# Altium PCB Copy of GameBoard_V1I1_083018.PcbDoc (part 17 of 21)
Units mil, origin at the board's own origin, x right, y up, seen from the top; angles counter-clockwise.
Board outline 7165.35 x 2763.78 mil, 12 copper layers (L1, L2, L3, L4, L5 (PWR), L6 (PWR), L7 (PWR), L8 (PWR), L9, L10, L11, L12), stack 61.575 mil thick; 1542 components, 1068 nets, 5447 pads, 3797 vias.
Unrouted connection lines stored in the file: 105.
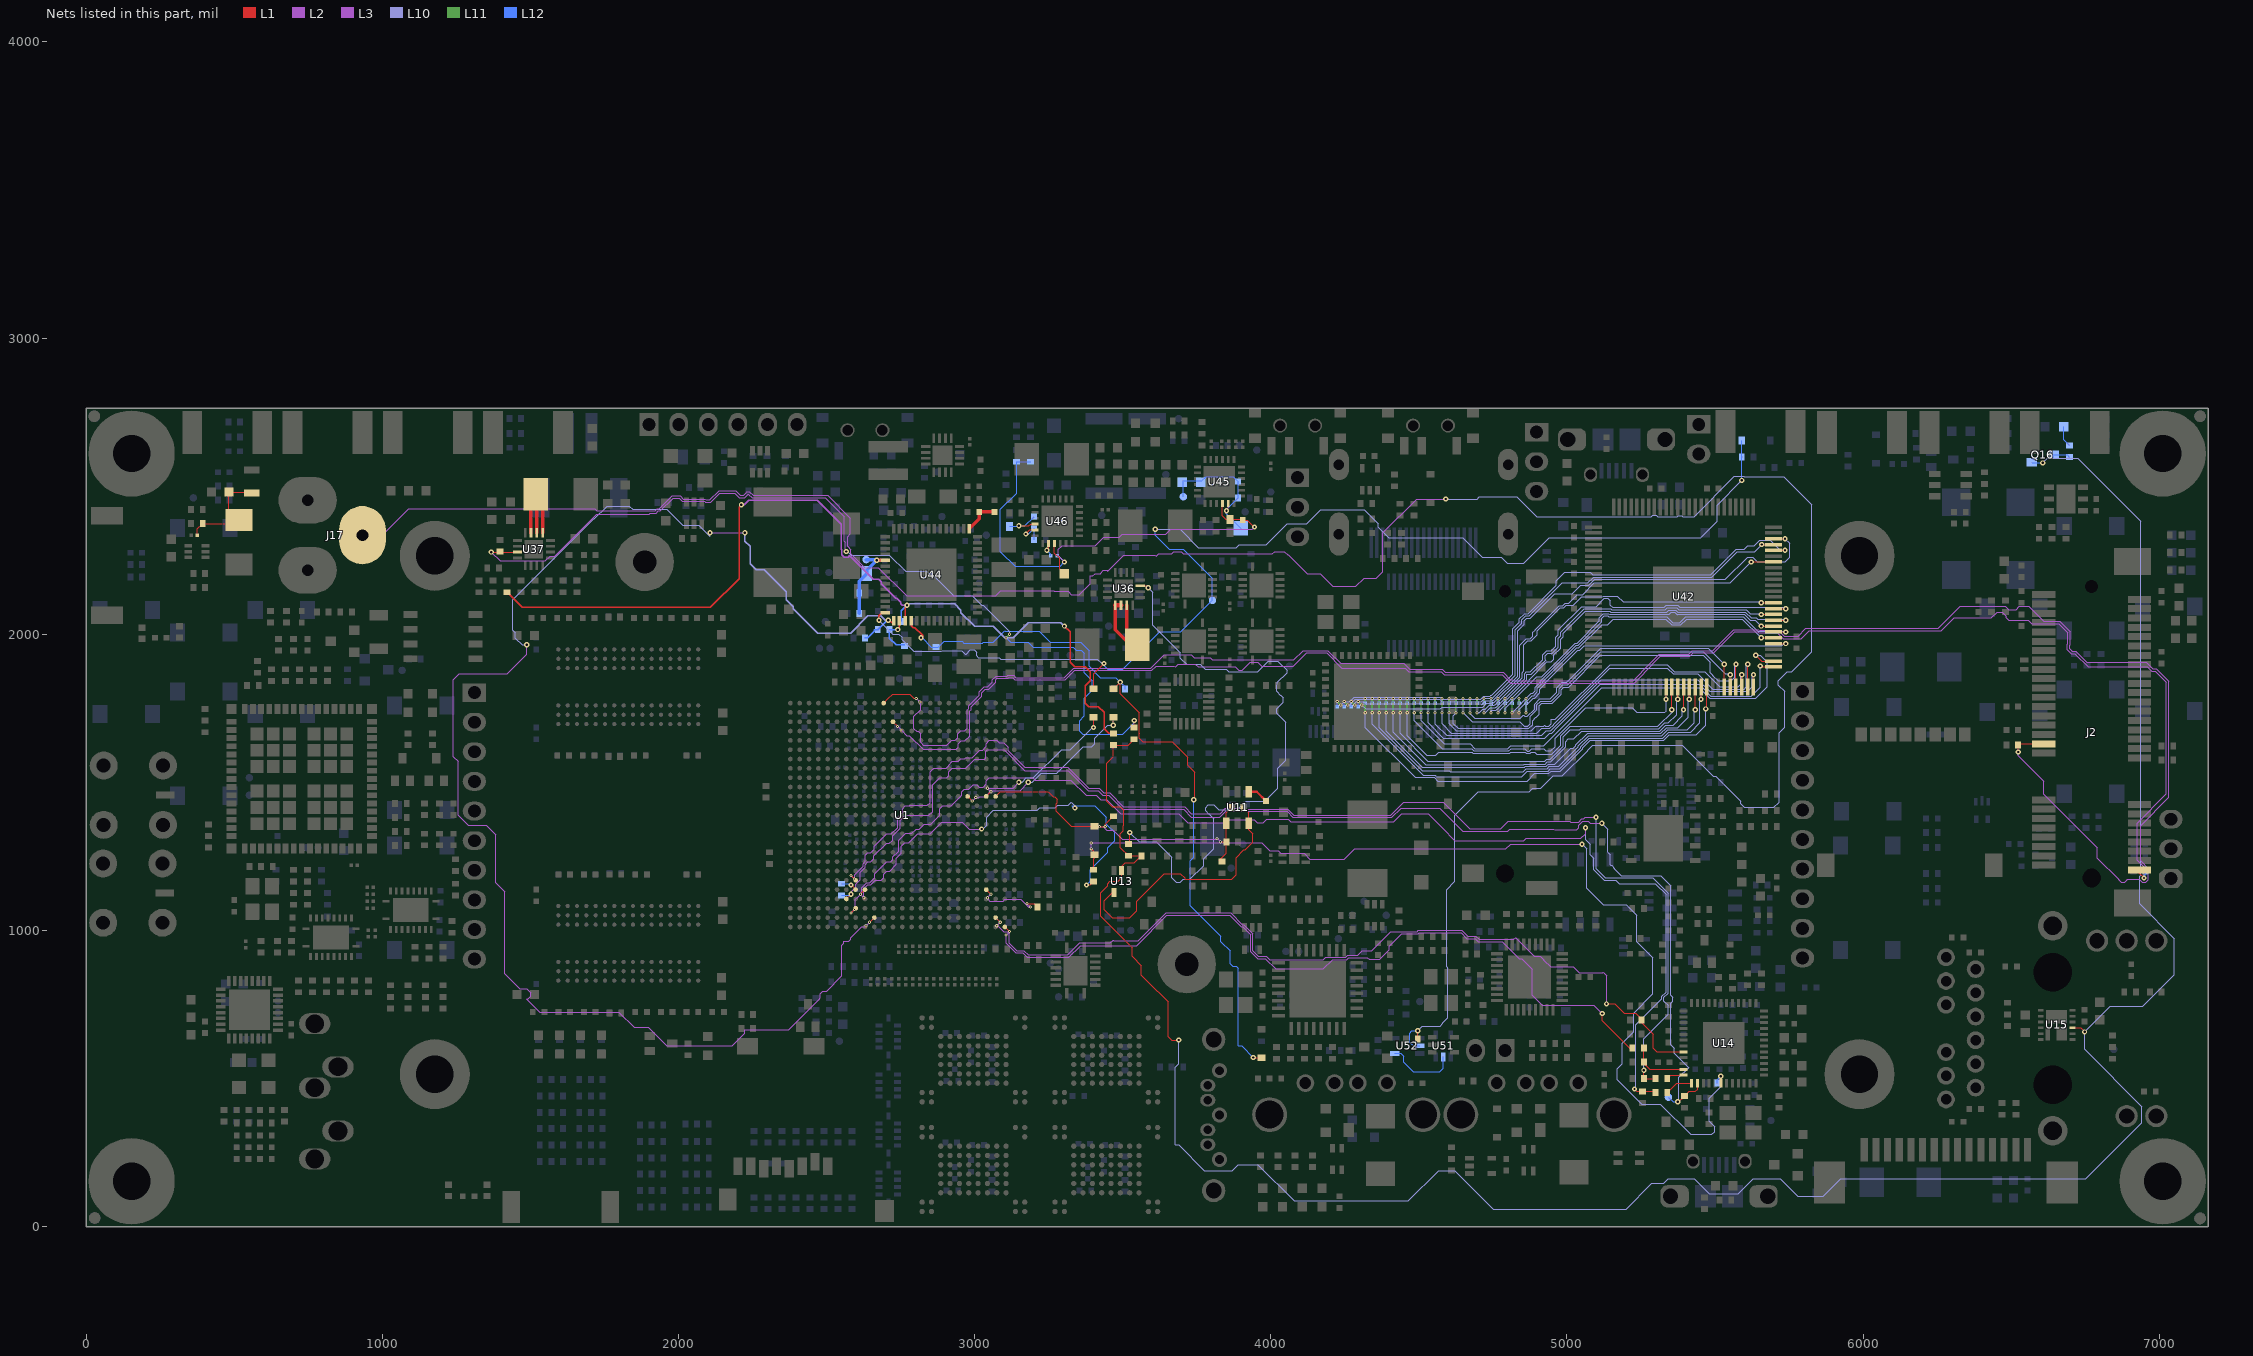
[diagram p27: the nets of this part, all layers, seen from the top]

## Via types
v1: diameter 17.72, hole 7.87, L1 to L12, 1936 vias
v2: diameter 17.72, hole 7.87, L1 to L12, tented both sides, 999 vias
v3: diameter 10.63, hole 3.94, L1 to L2, 337 vias
v4: diameter 10.63, hole 3.94, L2 to L3, 335 vias
v5: diameter 10.63, hole 3.94, L10 to L11, 96 vias
v6: diameter 10.63, hole 3.94, L11 to L12, 94 vias

## Nets (pads, with @x,y where several pads share a name; then routed paths per layer and width w, separated by ;. In a path a pad name is that pad's centre, name@x,y a point inside that pad or via, vN(x,y) a via of type N, cw(c..) or ccw(c..) an arc to the next point about the centre after c; other vN are vias at no path point) (continued)
PCIE_WAKE: J2.1 R151.1 U1.P3 | length 5650.6
  L1 w3.66: U1.P3@2724.41,1704.73 v3(2740.16,1688.98)
  L1 w3.94: J2.1@6933.07,1204.72 6933.07,1192.91 v1(6948.82,1177.17)
  L3 w3.94: v4(2751.97,1677.17) 2771.65,1657.48 2779.53,1657.48 2825.79,1611.22 2937.99,1611.22 2944.88,1618.11 2944.88,1631.12 2954.51,1640.75 2967.52,1640.75 2983.27,1656.5 2983.27,1698.35 2983.27,1741.2 2987.88,1745.81 2987.88,1754.92 3024.21,1791.25 3024.21,1803.18 3035.4,1814.37 3047.33,1814.37 3070.87,1837.91 3070.87,1846.46 3075.59,1851.18 3113.77,1851.18 3115.93,1853.35 3128.16,1853.35 3135.73,1845.78 3306.41,1845.78 3338.58,1877.95 3597.75,1877.95 3612.51,1892.72 3674.21,1892.72 3677.17,1889.76 3678.62,1889.76 3687.47,1898.62 3745.6,1898.62 3754.46,1889.76 3880.7,1889.76 3891.52,1878.94 3903.75,1878.94 3930.33,1905.51 3956.69,1905.51 3969.49,1892.72 4076.56,1892.72 4120.85,1937.01 4188.98,1937.01 4240.16,1885.83 4454.42,1885.83 4466.23,1874.02 4575.48,1874.02 4586.31,1863.19 4782.17,1863.19 4810.71,1834.65 5227.67,1834.65 5260.83,1867.8 5260.83,1870.29 5315.74,1925.2 5413.95,1925.2 5425.76,1937.01 5496.06,1937.01 5566.93,2007.87 5644.17,2007.87 5647.12,2004.92 5710.11,2004.92 5730.78,1984.25 5791.34,1984.25 5818.9,2011.81 6263.78,2011.81 6307.09,2055.12 6433.07,2055.12 6452.76,2074.8 6469.7,2074.8 6483.27,2061.23 6483.27,2056.1 6492.13,2047.24 6557.7,2047.24 6569.52,2035.43 6660.74,2035.43 6691.56,2004.61 6691.56,1967.67 6689.96,1966.07 6689.96,1947.32 6703.22,1934.06 6715.55,1934.06 6759.84,1889.76 6960.11,1889.76 6974.88,1875 6987.2,1875 7024.3,1837.91 7024.3,1461.31 6925.2,1362.2 6925.2,1236.22 6948.82,1212.6 v1(6948.82,1177.17)
  L2 w3.94: v3(2740.16,1688.98) v4(2751.97,1677.17)
  L12 w3.94: v1(6948.82,1177.17) 6952.76,1181.1 R151.1@6952.76,1196.85
PCIE_WDISn: J2.20 R14.1 U1.R1 | length 6574.9
  L1 w3.66: U1.R1@2692.91,1767.72 2708.66,1783.46 2723.29,1798.09 2780.33,1798.09 2794.95,1783.46 v3(2803.15,1783.46)
  L1 w3.94: v1(6523.62,1602.36) R14.1@6523.62,1625.98 6527.56,1629.92 J2.20@6610.24,1629.92
  L3 w3.94: v4(2814.96,1771.65) 2817.91,1768.7 2817.91,1745.85 2795.28,1723.22 2795.28,1681.1 2804.13,1672.24 2809.27,1672.24 2817.91,1663.6 2817.91,1634.84 2826.77,1625.98 2905.63,1625.98 2920.67,1641.02 2920.67,1641.14 2922.24,1642.72 2935.25,1642.72 2943.9,1651.37 2943.9,1664.37 2953.74,1674.21 2966.75,1674.21 2975.39,1682.86 2975.39,1695.09 2975.39,1744.46 2980.01,1749.07 2980.01,1758.18 3016.34,1794.52 3016.34,1806.45 3032.14,1822.24 3044.07,1822.24 3060.41,1838.58 3060.41,1847.13 3072.33,1859.06 3110.51,1859.06 3112.67,1861.22 3131.42,1861.22 3138.99,1853.66 3302.47,1853.66 3334.65,1885.83 3594.49,1885.83 3639.76,1931.1 3731.51,1931.1 3741.35,1921.26 3795.28,1921.26 3803.15,1913.39 4078.06,1913.39 4109.56,1944.88 4192.24,1944.88 4235.54,1901.57 4449.8,1901.57 4469.49,1881.89 4578.74,1881.89 4589.57,1871.06 4785.43,1871.06 4809.46,1847.04 4815.17,1847.04 4819.69,1842.52 5224.41,1842.52 5252.95,1871.06 5252.95,1873.55 5312.47,1933.07 5410.68,1933.07 5422.86,1945.25 5493.17,1945.25 5563.67,2015.75 5647.43,2015.75 5650.38,2012.8 5713.37,2012.8 5733.06,1993.11 5780.51,1993.11 5807.09,2019.68 6254,2019.68 6328.8,2094.49 6480.47,2094.49 6491.3,2083.66 6516.58,2083.66 6527.4,2094.49 6559.06,2094.49 6610.24,2043.31 6664,2043.31 6699.44,2007.87 6699.44,1964.41 6697.83,1962.81 6697.83,1950.58 6706.48,1941.93 6718.81,1941.93 6755.23,1905.51 6955.5,1905.51 6978.14,1882.88 6990.46,1882.88 7032.17,1841.17 7032.17,1449.49 6937.01,1354.33 6937.01,1235.55 6963.58,1208.97 6963.58,1171.05 6954.93,1162.4 6942.7,1162.4 6932.86,1172.24 6892.72,1172.24 6892.72,1171.05 6884.07,1162.4 6871.84,1162.4 6863.19,1171.05 6863.19,1172.24 6791.34,1244.09 6791.34,1279.53 6610.24,1460.63 6610.24,1503.94 6539.37,1574.8 6523.62,1590.55 v1(6523.62,1602.36)
  L2 w3.94: v3(2803.15,1783.46) v4(2814.96,1771.65)
PHASE_1V375: L6.1 U36.13 U36.14 U36.15 | length 296.3
  L1 w11.81: U36.13@3474.41,2098.03 3474.41,2015.26 L6.1@3513.78,1975.89 ; U36.15@3513.78,2098.03 L6.1@3513.78,1975.89 ; L6.1@3525.1,1964.57 L6.1@3513.78,1975.89
  L1 w15.75: U36.13@3474.41,2098.03 U36.14@3494.09,2098.03
PHASE_3V3_HDR: L7.1 U37.13 U37.14 U37.15 | length 401.4
  L1 w11.81: U37.15@1501.97,2342.91 1501.97,2456.2 L7.1@1518.21,2472.44 L7.1@1521.65,2469 ; U37.14@1521.65,2342.91 L7.1@1521.65,2469 ; U37.13@1541.34,2342.91 1541.34,2449.31 L7.1@1521.65,2469
PMIC_INT: R435.1 R439.2 U1.T24 U44.1 | length 5075
  L1 w3.66: v3(2645.67,1027.56) U1.T24@2661.42,1043.31
  L1 w4.49: v2(2708.66,2047.24) 2712.6,2047.24 2726.38,2033.46 U44.1@2726.38,2045.28
  L3 w3.94: v2(1488.19,1964.57) 1488.19,1933.07 1421.26,1866.14 1260.52,1866.14 1240.16,1845.78 1240.16,1587.29 1255.91,1571.54 1255.91,1389.76 1290.49,1355.18 1350.39,1355.18 1382.74,1322.83 1382.74,1160.57 1413.39,1129.92 1413.39,854.33 1464.57,803.15 1487.41,803.15 1500.98,789.58 1500.98,777.35 1492.34,768.7 1489.17,768.7 1488.19,767.72 1531.5,724.41 1799.21,724.41 1850.26,673.37 1897.64,673.37 1960.77,610.24 2181.1,610.24 2224.41,653.54 2224.41,665.35 2371.75,665.35 2476.38,769.98 2476.38,771.15 2478.35,773.12 2478.35,786.63 2486.99,795.28 2500.51,795.28 2552.17,846.94 2552.17,950.32 2558.79,956.95 2558.79,963.32 2559.06,963.58 2574.41,963.58 2581.69,970.86 2581.69,975.39 2619.1,1012.8 2630.91,1012.8 v4(2633.86,1015.75) ; v1(2106.3,2342.52) v1(2224.41,2342.52)
  L10 w3.94: v2(1488.19,1964.57) 1472.44,1964.57 1449.8,1987.2 1449.8,2005.44 1440.94,2014.3 1440.94,2116.82 1713.89,2389.76 1716.54,2389.76 1759.84,2433.07 1834.65,2433.07 1845.78,2421.94 1960.88,2421.94 2015.07,2367.74 2069.26,2367.74 2106.3,2330.71 v1(2106.3,2342.52)
  L10 w4.49: v1(2224.41,2342.52) 2224.41,2314.96 2242.51,2296.86 2242.51,2238.09 2263.04,2217.56 2290.25,2217.56 2363.62,2144.19 2363.62,2116.98 2387.09,2093.51 2387.09,2086.58 2469.73,2003.94 2581.09,2003.94 2639.44,2062.28 2683.39,2062.28 2698.43,2047.24 v2(2708.66,2047.24)
  L2 w3.94: v4(2633.86,1015.75) v3(2645.67,1027.56)
  L12 w4.49: R435.1@2629.92,1988.19 2639.38,1988.19 2660.71,2009.52 2660.71,2015.75 R439.2@2673.23,2015.75 2704.72,2047.24 v2(2708.66,2047.24)
PMIC_ON_REQ: D2.1 R69.1 U1.D11 | length 552.2
  L1 w3.94: U1.D11@3039.37,1452.76 v3(3055.12,1468.5) ; v1(3401.57,1685.04) D2.1@3401.57,1719.72
  L3 w3.94: v4(3043.31,1480.31) 3129.92,1480.31 v1(3149.61,1500)
  L10 w3.94: v1(3149.61,1500) 3160.22,1500 3174.99,1514.76 3197.48,1514.76 3293.59,1610.87 3323.34,1610.87 3397.51,1685.04 v1(3401.57,1685.04)
  L2 w3.94: v4(3043.31,1480.31) v3(3055.12,1468.5)
  L12 w3.94: v1(3401.57,1685.04) R69.1@3401.57,1720.47
PMIC_SDWNB: R436.1 R439.1 U44.2 | length 149
  L1 w4.49: v2(2740.16,2015.75) 2746.06,2021.65 U44.2@2746.06,2045.28
  L12 w4.49: v2(2740.16,2015.75) R439.1@2712.6,2015.75 2712.6,1986.61 2734.64,1964.57 R436.1@2763.78,1964.57
PMIC_STBY_REQ: D1.2 D23.2 R434.1 R440.2 U44.4 | length 2528.4
  L1 w3.94: D1.2@3468.5,1815.72 3491.37,1838.58 v1(3492.13,1838.58) 3492.13,1799.21 3556.22,1735.12 3556.22,1672.75 3555.57,1672.1 3555.57,1665.58 3556.22,1664.93 3556.22,1648.51 3566.93,1637.8 3666.55,1637.8 3719.49,1584.86 3719.49,1558.07 3743.11,1534.45 3743.11,1443.9 v1(3740.16,1440.94) ; v1(3940.94,570.87) 3967.75,570.87 D23.2@3968.5,570.11
  L1 w4.49: U44.4@2785.43,2045.28 2785.43,2029.53 2792.05,2022.91 2797.57,2022.91 2822.83,1997.65 2826.77,1993.71 2821.25,1988.19 v2(2818.9,1988.19)
  L12 w3.94: v2(2818.9,1988.19) 2822.83,1988.19 2854.33,1956.69 R434.1@2870.08,1956.69 2877.95,1956.69 2897.64,1976.38 2958.18,1976.38 2964.09,1970.47 3028.04,1970.47 3030.01,1972.44 3062.32,1972.44 3101.69,2011.81 3102.67,2010.83 3217.52,2010.83 3255.91,1972.44 3358.27,1972.44 3386.81,1943.9 3386.81,1891.52 3424.99,1853.35 3477.36,1853.35 v1(3492.13,1838.58) 3507.87,1822.83 R440.2@3507.87,1814.96 ; v1(3740.16,1440.94) 3740.16,1246.64 3728.35,1234.83 3728.35,1083.82 3831.69,980.48 3831.69,962.29 3863.19,930.79 3863.19,887.59 3871.84,878.94 3883.97,878.94 3889.76,873.15 3889.76,610.24 3901.57,610.24 v1(3940.94,570.87)
PMIC_STBY_REQ_CPU: D1.1 R68.1 U1.F11 | length 670.5
  L1 w3.94: U1.F11@2976.38,1452.76 v3(2992.13,1437.01) ; v1(3468.5,1692.91) D1.1@3468.5,1719.72
  L3 w3.94: v4(3003.94,1448.82) 3014.56,1448.82 3017.51,1451.77 3035.12,1451.77 3055.79,1472.44 3153.54,1472.44 v2(3181.1,1500)
  L10 w3.94: v2(3181.1,1500) 3193.85,1500 3225.35,1531.5 3278.06,1531.5 3366.14,1619.58 3395.17,1619.58 3405.51,1629.92 3405.51,1649.61 3448.82,1692.91 v1(3468.5,1692.91)
  L2 w3.94: v3(2992.13,1437.01) v4(3003.94,1448.82)
  L12 w3.94: v1(3468.5,1692.91) R68.1@3468.5,1720.47
PMIC_VDDOTP: C470.1 R432.1 R438.2 TP38.1 U44.47 | length 296.9
  L1 w11.81: v2(2669.29,2250) U44.47@2698.82,2250
  L12 w11.81: 2610.24,2098.43 R438.2@2610.24,2070.87 R432.1@2610.24,2139.76 2610.24,2179.13 C470.1@2635.83,2204.72 2635.83,2216.54 v2(2669.29,2250) 2667.32,2251.97 TP38.1@2633.86,2251.97
PMIC_VHALF: C426.2 C429.1 U44.29 | length 122.1
  L1 w11.81: U44.29@2982.28,2356.3 3015.75,2389.76 C426.2@3015.75,2413.39 C429.1@3066.93,2413.39
PMID1: C477.1 C478.1 C479.1 D46.1 R469.2 TP44.1 U45.23 | length 462
  L1 w3.94: v1@3856.3,2423.23 U45.23@3856.3,2440.94
  L12 w3.94: TP44.1@3704.72,2464.57 3704.72,2517.72 3767.72,2517.72 3781.5,2531.5 3854.33,2531.5 3874.02,2531.5 C477.1@3889.76,2515.75 R469.2@3889.76,2460.63 3850.39,2421.26 v1(3850.39,2417.32) 3850.39,2406.65 D46.1@3898.78,2358.27
PMID2: C490.1 C491.1 U46.23 | length 112.3
  L1 w3.94: v1(3173.23,2338.58) 3187.01,2352.36 U46.23@3204.72,2352.36
  L12 w3.94: v1(3173.23,2338.58) 3181.1,2338.58 C491.1@3200.79,2358.27 C490.1@3200.79,2318.9
POK_1V375_OPT: R107.1 U36.3 | length 2108
  L1 w3.94: R107.1@3519.69,1291.34 3523.62,1295.28 v1(3523.62,1330.71) ; U36.3@3559.45,2163.39 3584.65,2163.39 3586.61,2161.42 v1(3586.61,2157.48)
  L10 w3.94: v1(3523.62,1330.71) 3555.12,1299.21 3614.17,1299.21 3666.36,1247.02 3666.36,1177.14 3681.1,1162.4 3695.09,1162.4 3704.72,1172.03 3727.15,1172.03 3772.91,1217.8 3772.91,1241.55 3807.09,1275.72 3807.09,1377.95 3790.35,1394.68 3789.16,1394.68 3780.05,1403.8 3780.05,1415.1 3789.16,1424.21 3808.07,1424.21 3824.03,1408.25 3876.24,1408.25 3880.39,1412.4 3892.72,1412.4 3917.32,1437.01 3980.31,1437.01 4023.62,1480.31 4023.62,1546.86 4051.18,1574.42 4051.18,1703.53 4020.67,1734.04 4020.67,1749.11 4042.32,1770.76 4042.32,1785.64 4033.67,1794.29 4032.48,1794.29 4019.69,1807.09 4019.69,1827.99 4022.36,1830.67 4022.36,1837.84 4055.12,1870.6 4055.12,1877.8 4023.47,1909.45 3992.13,1909.45 3956.69,1874.02 3857.53,1874.02 3850.21,1881.34 3779.4,1881.34 3762.12,1898.62 3715.55,1898.62 3694.88,1919.29 3694.88,1937.01 3601.38,2030.51 3601.38,2142.72 v1(3586.61,2157.48)
POK_3V3_OPT: R102.1 R313.2 U37.3 | length 3070.8
  L1 w3.94: v1(1368.11,2277.56) U37.3@1456.3,2277.56 ; R102.1@3538.5,1685.04 3539.37,1685.91 v1(3539.37,1708.66)
  L3 w3.94: v1(1368.11,2277.56) 1397.64,2248.03 1550.62,2248.03 1566.37,2263.78 1582.68,2263.78 1724.41,2405.51 1900.9,2405.51 1904.84,2409.45 1925.66,2409.45 1932.55,2416.34 1939.29,2416.34 1982.59,2459.65 2002.18,2459.65 2013.01,2448.82 2088.06,2448.82 2091.02,2445.87 2109.77,2445.87 2140.28,2476.38 2190.1,2476.38 2204.77,2461.71 2223.52,2461.71 2235.24,2473.43 2236.43,2473.43 2248.67,2461.18 2495.51,2461.18 2559.06,2397.64 2559.06,2314.96 2562.99,2311.02 2562.99,2283.46 v1(2566.93,2279.53)
  L10 w3.94: v1(2566.93,2279.53) 2566.93,2283.46 2582.68,2267.72 2711.82,2267.72 2766.94,2212.6 2838.58,2212.6 2847.44,2203.74 2855.32,2203.74 2929.13,2129.92 2992.13,2129.92 3023.62,2098.43 3028.75,2098.43 3118.11,2009.07 v5(3118.11,2000)
  L11 w3.94: v6(3106.3,1988.19) v5(3118.11,2000)
  L12 w3.94: v6(3106.3,1988.19) 3122.05,1972.44 3181.78,1972.44 3198.2,1956.02 3332.74,1956.02 3343.2,1945.56 3360.24,1945.56 3370.08,1935.71 3370.08,1870.08 3397.64,1842.52 3397.64,1811.02 3370.08,1783.46 3370.08,1724.41 3354.33,1708.66 3354.33,1673.23 3365.87,1661.69 3500.28,1661.69 3539.37,1700.79 v1(3539.37,1708.66)
POK_PMIC: R100.1 R312.2 R437.1 U44.3 | length 3101.8
  L1 w4.49: R312.2@1421.26,2141.73 1472.44,2090.55 2108.23,2090.55 2204.72,2187.04 2204.72,2429.13 v1(2212.6,2437.01) ; U44.3@2765.75,2045.28 2765.75,2092.52 v2(2771.65,2098.43) ; v1(3303.15,2027.56) 3322.83,2007.87 3322.83,1905.51 3338.58,1889.76 3374.02,1889.76 3389.76,1874.02 3389.76,1842.52 3374.02,1826.77 3374.02,1767.72 3385.83,1755.91 3417.32,1755.91 3437.01,1736.22 3437.01,1681.1 3452.76,1665.35 R100.1@3468.5,1665.35
  L3 w4.49: v1(2212.6,2437.01) 2221.95,2437.01 2237.98,2453.03 2468.23,2453.03 2550.47,2370.79 2550.47,2286.53 2551.89,2285.11 2551.89,2269.36 2560.7,2260.55 2573.16,2260.55 2577.1,2264.49 2577.75,2264.49 2657.19,2185.04 2661.8,2185.04 2663.06,2186.3 2675.52,2186.3 2684.33,2177.49 2684.33,2170.39 2733.38,2121.34 2737.84,2121.34 2751.26,2107.92 2751.26,2103.46 2756.29,2098.43 v2(2771.65,2098.43)
  L10 w4.49: v2(2771.65,2098.43) 2775.59,2098.43 2779.53,2102.36 2932.69,2102.36 2954.02,2081.03 2954.02,2073.54 3000,2027.56 3062.99,2027.56 3102.05,1988.5 3130.24,1988.5 3181.1,2039.37 3291.34,2039.37 v1(3303.15,2027.56)
  L12 w4.49: R437.1@2751.97,2043.31 2751.97,2078.74 v2(2771.65,2098.43)
POK_SYS: Q16.1 R97.1 R100.2 R102.2 R107.2 U13.2 U15.9 | length 8285.5
  L1 w3.94: R102.2@3538.5,1645.67 3518.81,1625.98 R100.2@3468.5,1625.98 3468.5,1586.61 3445.87,1563.98 3445.87,1436.02 3464.57,1417.32 3492.13,1417.32 3503.94,1405.51 3503.94,1354.81 3501.97,1352.84 3501.97,1336.61 3492.13,1326.77 3492.13,1279.53 R107.2@3519.69,1251.97 R97.1@3562.99,1251.97 3539.37,1228.35 3507.87,1228.35 3496.06,1216.54 U13.2@3496.06,1202.76 3496.06,1177.17 3484.25,1165.35 3456.69,1165.35 3448.82,1157.48 3448.82,1150.28 3425.2,1126.66 3425.2,1047.24 3531.5,940.94 3531.5,913.39 3563.41,881.48 3563.41,848.85 3583.19,829.07 3583.09,828.97 3653.54,758.51 3653.54,641.73 3665.35,629.92 v1(3688.98,629.92) ; U15.9@6707.09,671.26 6734.25,671.26 v1(6748.03,657.48)
  L10 w3.94: v1(3688.98,629.92) 3688.98,549.21 3677.17,537.4 3677.17,275.59 3688.98,275.59 3775.59,188.98 3870.08,188.98 3889.76,208.66 3956.69,208.66 4078.74,86.61 4464.57,86.61 4566.93,188.98 4620.85,188.98 4750.77,59.06 5200.11,59.06 5286.73,145.67 5326.77,145.67 5342.52,161.42 5429.13,161.42 5480.31,110.24 5578.74,110.24 5629.92,161.42 5720.47,161.42 5779.53,102.36 5866.14,102.36 5925.2,161.42 6751.97,161.42 6940.94,350.39 6940.94,405.51 6748.03,598.43 v1(6748.03,657.48) 6834.65,744.09 6944.88,744.09 7051.18,850.39 7051.18,972.44 6934.06,1089.57 6934.06,1183.28 6937.01,1186.23 6937.01,2381.89 6724.41,2594.49 6622.05,2594.49 v1(6606.3,2578.74)
  L12 w3.94: Q16.1@6568.9,2580.71 6570.87,2578.74 v1(6606.3,2578.74)
POR_Bn: D3.1 R91.1 R96.1 R99.1 R108.1 U1.C11 U11.1 | length 1169
  L1 w3.94: U1.C11@3070.87,1452.76 3086.61,1468.5 3248.03,1468.5 3264.76,1451.77 3269.89,1451.77 3278.54,1443.12 3278.54,1430.89 3275.59,1427.94 3275.59,1402.6 3327.04,1351.15 D3.1@3405.51,1351.15 3416.34,1351.15 3417.09,1350.39 v3(3440.94,1350.39) 3440.94,1358.27 R96.1@3468.5,1385.83 ; R108.1@3826.77,1236.22 3850.39,1259.84 R91.1@3850.39,1299.21 ; v3(3830.71,1299.21) R91.1@3850.39,1299.21 ; R99.1@3868.11,1415.35 3850.39,1397.64 U11.1@3850.39,1362.2 R91.1@3850.39,1299.21
  L3 w3.94: v4(3421.26,1350.39) 3434.42,1350.39 3446.23,1338.58 3468.5,1338.58 3499.02,1308.07 3815.94,1308.07 v4(3818.9,1311.02)
  L2 w3.94: v4(3421.26,1350.39) v3(3440.94,1350.39) ; v4(3818.9,1311.02) v3(3830.71,1299.21)
POR_CT: C101.1 U11.4 | length 72.1
  L1 w7.87: U11.4@3925.2,1468.5 3952.76,1468.5 C101.1@3984.25,1437.01
POR_R_Bn: R99.2 U11.3 U13.4 | length 893.7
  L1 w3.94: U13.4@3470.47,1127.95 3465.55,1127.95 3437.99,1100.39 3437.99,1069.88 3464.57,1043.31 3523.62,1043.31 3547.24,1066.93 3547.24,1098.43 3640.75,1191.93 3695.09,1191.93 3708.87,1178.15 3711.61,1178.15 3711.61,1173.23 3867.86,1173.23 3882.87,1188.25 3882.87,1245.08 3909.45,1271.65 3913.39,1271.65 3939.96,1298.23 3939.96,1325.79 3925.2,1340.55 U11.3@3925.2,1362.2 3925.2,1397.64 R99.2@3907.48,1415.35
PowerGood2: D51.1 U46.3 | length 116.2
  L1 w3.94: U46.3@3269.69,2307.09 3269.69,2273.62 3287.4,2255.91 3287.4,2220.47 D51.1@3303.15,2204.72
PSEL2: R494.1 U46.2 | length 50.4
  L1 w3.94: v1(3244.09,2283.46) 3250,2289.37 U46.2@3250,2307.09
  L12 w3.94: v1(3244.09,2283.46) 3257.68,2269.88 R494.1@3257.68,2264.76
PWR_1V8WIFI: C524.1 C526.1 L19.2 R507.1 R509.2 | length 364.2
  L1 w3.94: C526.1@375.2,2334.65 375.2,2355.51 R509.2@393.7,2374.02 503.94,2374.02 L19.2@509.84,2379.92 ; L19.2@515.75,2385.83 L19.2@509.84,2379.92 ; R507.1@559.06,2476.38 555.12,2480.31 C524.1@482.28,2480.31 482.28,2407.48 L19.2@509.84,2379.92
PWR_LED_GRN_D: D41.1 R410.1 | length 71.1
  L12 w3.94: D41.1@6677.17,2700.79 6677.17,2657.48 R410.1@6696.85,2637.8
PWR_LED_GRN_Q: Q16.3 R410.2 | length 56.4
  L12 w3.94: Q16.3@6643.7,2606.3 6688.98,2606.3 R410.2@6696.85,2598.43
PWR_SEL: J17.3 R319.1 U52.2 | length 9005.5
  L1 w3.66: R319.1@4496.06,633.86 v1(4496.06,661.42)
  L3 w3.94: J17.3@933.07,2334.65 1000,2334.65 1089.57,2424.21 1717.52,2424.21 1724.41,2417.32 1922.4,2417.32 1929.29,2424.21 1936.02,2424.21 1979.33,2467.52 2005.44,2467.52 2016.27,2456.69 2091.33,2456.69 2094.28,2453.74 2106.51,2453.74 2137.02,2484.25 2193.36,2484.25 2208.03,2469.58 2220.26,2469.58 2228.91,2478.23 2228.91,2478.75 2231.46,2481.3 2239.69,2481.3 2251.94,2469.06 2503.39,2469.06 2580.49,2391.95 2580.49,2338.74 2570.87,2329.11 2570.87,2296.47 2581.69,2285.64 2581.69,2272.64 2628.94,2225.39 2675.41,2225.39 2770.88,2129.92 3070.87,2129.92 3087.6,2146.65 3267.31,2146.65 3269.28,2144.68 3315.79,2144.68 3326.61,2133.86 3352.98,2133.86 3390.44,2171.32 3390.44,2196.85 3399.34,2196.85 3407.22,2204.72 3426.18,2204.72 3426.18,2206.9 3434.83,2215.55 3447.06,2215.55 3449,2213.61 3503.1,2267.72 3608.89,2267.72 3613.5,2263.1 3622.05,2271.65 3665.51,2271.65 3672.4,2278.54 3697.68,2278.54 3704.57,2271.65 4005.71,2271.65 4013.58,2279.53 4045.98,2279.53 4057.4,2268.11 4059.34,2268.11 4123.71,2203.74 4167.53,2203.74 4208.5,2162.77 4287.77,2162.77 4314.96,2189.96 4356.67,2189.96 4377.95,2211.25 4377.95,2342.52 4492.13,2456.69 v1(4590.55,2456.69)
  L10 w3.66: v1(4496.06,661.42) 4511.81,677.17 4571.87,677.17 4581.56,686.86 4581.56,687.85 4598.43,704.72 4598.43,873.02 4594.63,876.82 4594.63,1137.93 4622.05,1165.35 4622.05,1389.76 4700.79,1468.5 4873.02,1468.5 4883.98,1479.47 4910.8,1479.47 4953.83,1522.5 4984.69,1522.5 5069.74,1607.56 5069.74,1609.11 5086.61,1625.98 5388.76,1625.98 5493.94,1520.81 5502.81,1520.81 5587.74,1435.89 5587.74,1427.01 5599.39,1415.35 5698.82,1415.35 5716.54,1433.07 5716.54,1668.29 5735.1,1686.86 5735.1,1807.21 5713.72,1828.59 5713.72,1843.64 5744.09,1874.02 5759.84,1874.02 5826.77,1940.94 5826.77,2437.01 5732.28,2531.5 5599.42,2531.5 5596.61,2534.31 5565.81,2534.31 5429.13,2397.64 5390.76,2397.64 5387.95,2400.45 5375.83,2400.45 5373.02,2397.64 5306.12,2397.64 5301.33,2402.42 5289.22,2402.42 5284.43,2397.64 4897.64,2397.64 4830.71,2464.57 4704.72,2464.57 4696.85,2456.69 v1(4590.55,2456.69)
  L12 w3.66: v1(4496.06,661.42) 4476.38,661.42 4468.5,653.54 4468.5,622.05 4480.31,610.24 U52.2@4502.95,610.24
PWR_SEL_B: U51.2 U52.4 | length 243.5
  L12 w3.94: U52.4@4418.31,584.65 4438.98,584.65 4448.82,574.8 4448.82,555.12 4480.31,523.62 4570.87,523.62 4582.68,535.43 U51.2@4582.68,572.83
PWRON: D2.2 D44.2 R433.1 TP39.1 U44.56 | length 4234.8
  L1 w3.94: D2.2@3401.57,1815.72 3401.57,1866.14 v1(3437.01,1901.57)
  L1 w4.49: v2(2677.17,2047.24) 2677.17,2062.99 2687.01,2072.84 U44.56@2698.82,2072.84
  L10 w3.94: v2(2677.17,2047.24) 2724.41,2000 2744.3,2000 2754.92,1989.38 2754.92,1981.3 2794.29,1941.93 2888.16,1941.93 2891.11,1944.88 2956.69,1944.88 2968.5,1933.07 2971.25,1933.07 2986.01,1947.83 2998.24,1947.83 3006.89,1939.19 3006.89,1926.92 3013.14,1920.67 3083.37,1920.67 3087.7,1916.34 3414.37,1916.34 3429.13,1901.57 v1(3437.01,1901.57) ; v1(3610.24,2354.33) 3693.9,2354.33 3755.91,2292.32 3882.87,2292.32 3893.7,2303.15 3984.25,2303.15 4055.12,2374.02 4122.05,2374.02 4169.29,2421.26 4314.96,2421.26 4362.2,2374.02 4362.2,2362.2 4397.64,2326.77 4647.58,2326.77 4714.51,2259.84 4778.85,2259.84 4798.54,2240.16 4854.33,2240.16 4940.94,2326.77 5451.98,2326.77 5506.89,2381.68 5506.89,2436.02 v1(5590.55,2519.68)